# Altium PCB DigitalLabBoard.PcbDoc (part 1 of 3)
Units mm, origin at the board's own origin, x right, y up, seen from the top; angles counter-clockwise.
Board outline 155 x 110 mm, 2 copper layers (Top Layer, Bottom Layer), stack 1.571 mm thick; 189 components, 184 nets, 775 pads, 859 vias.
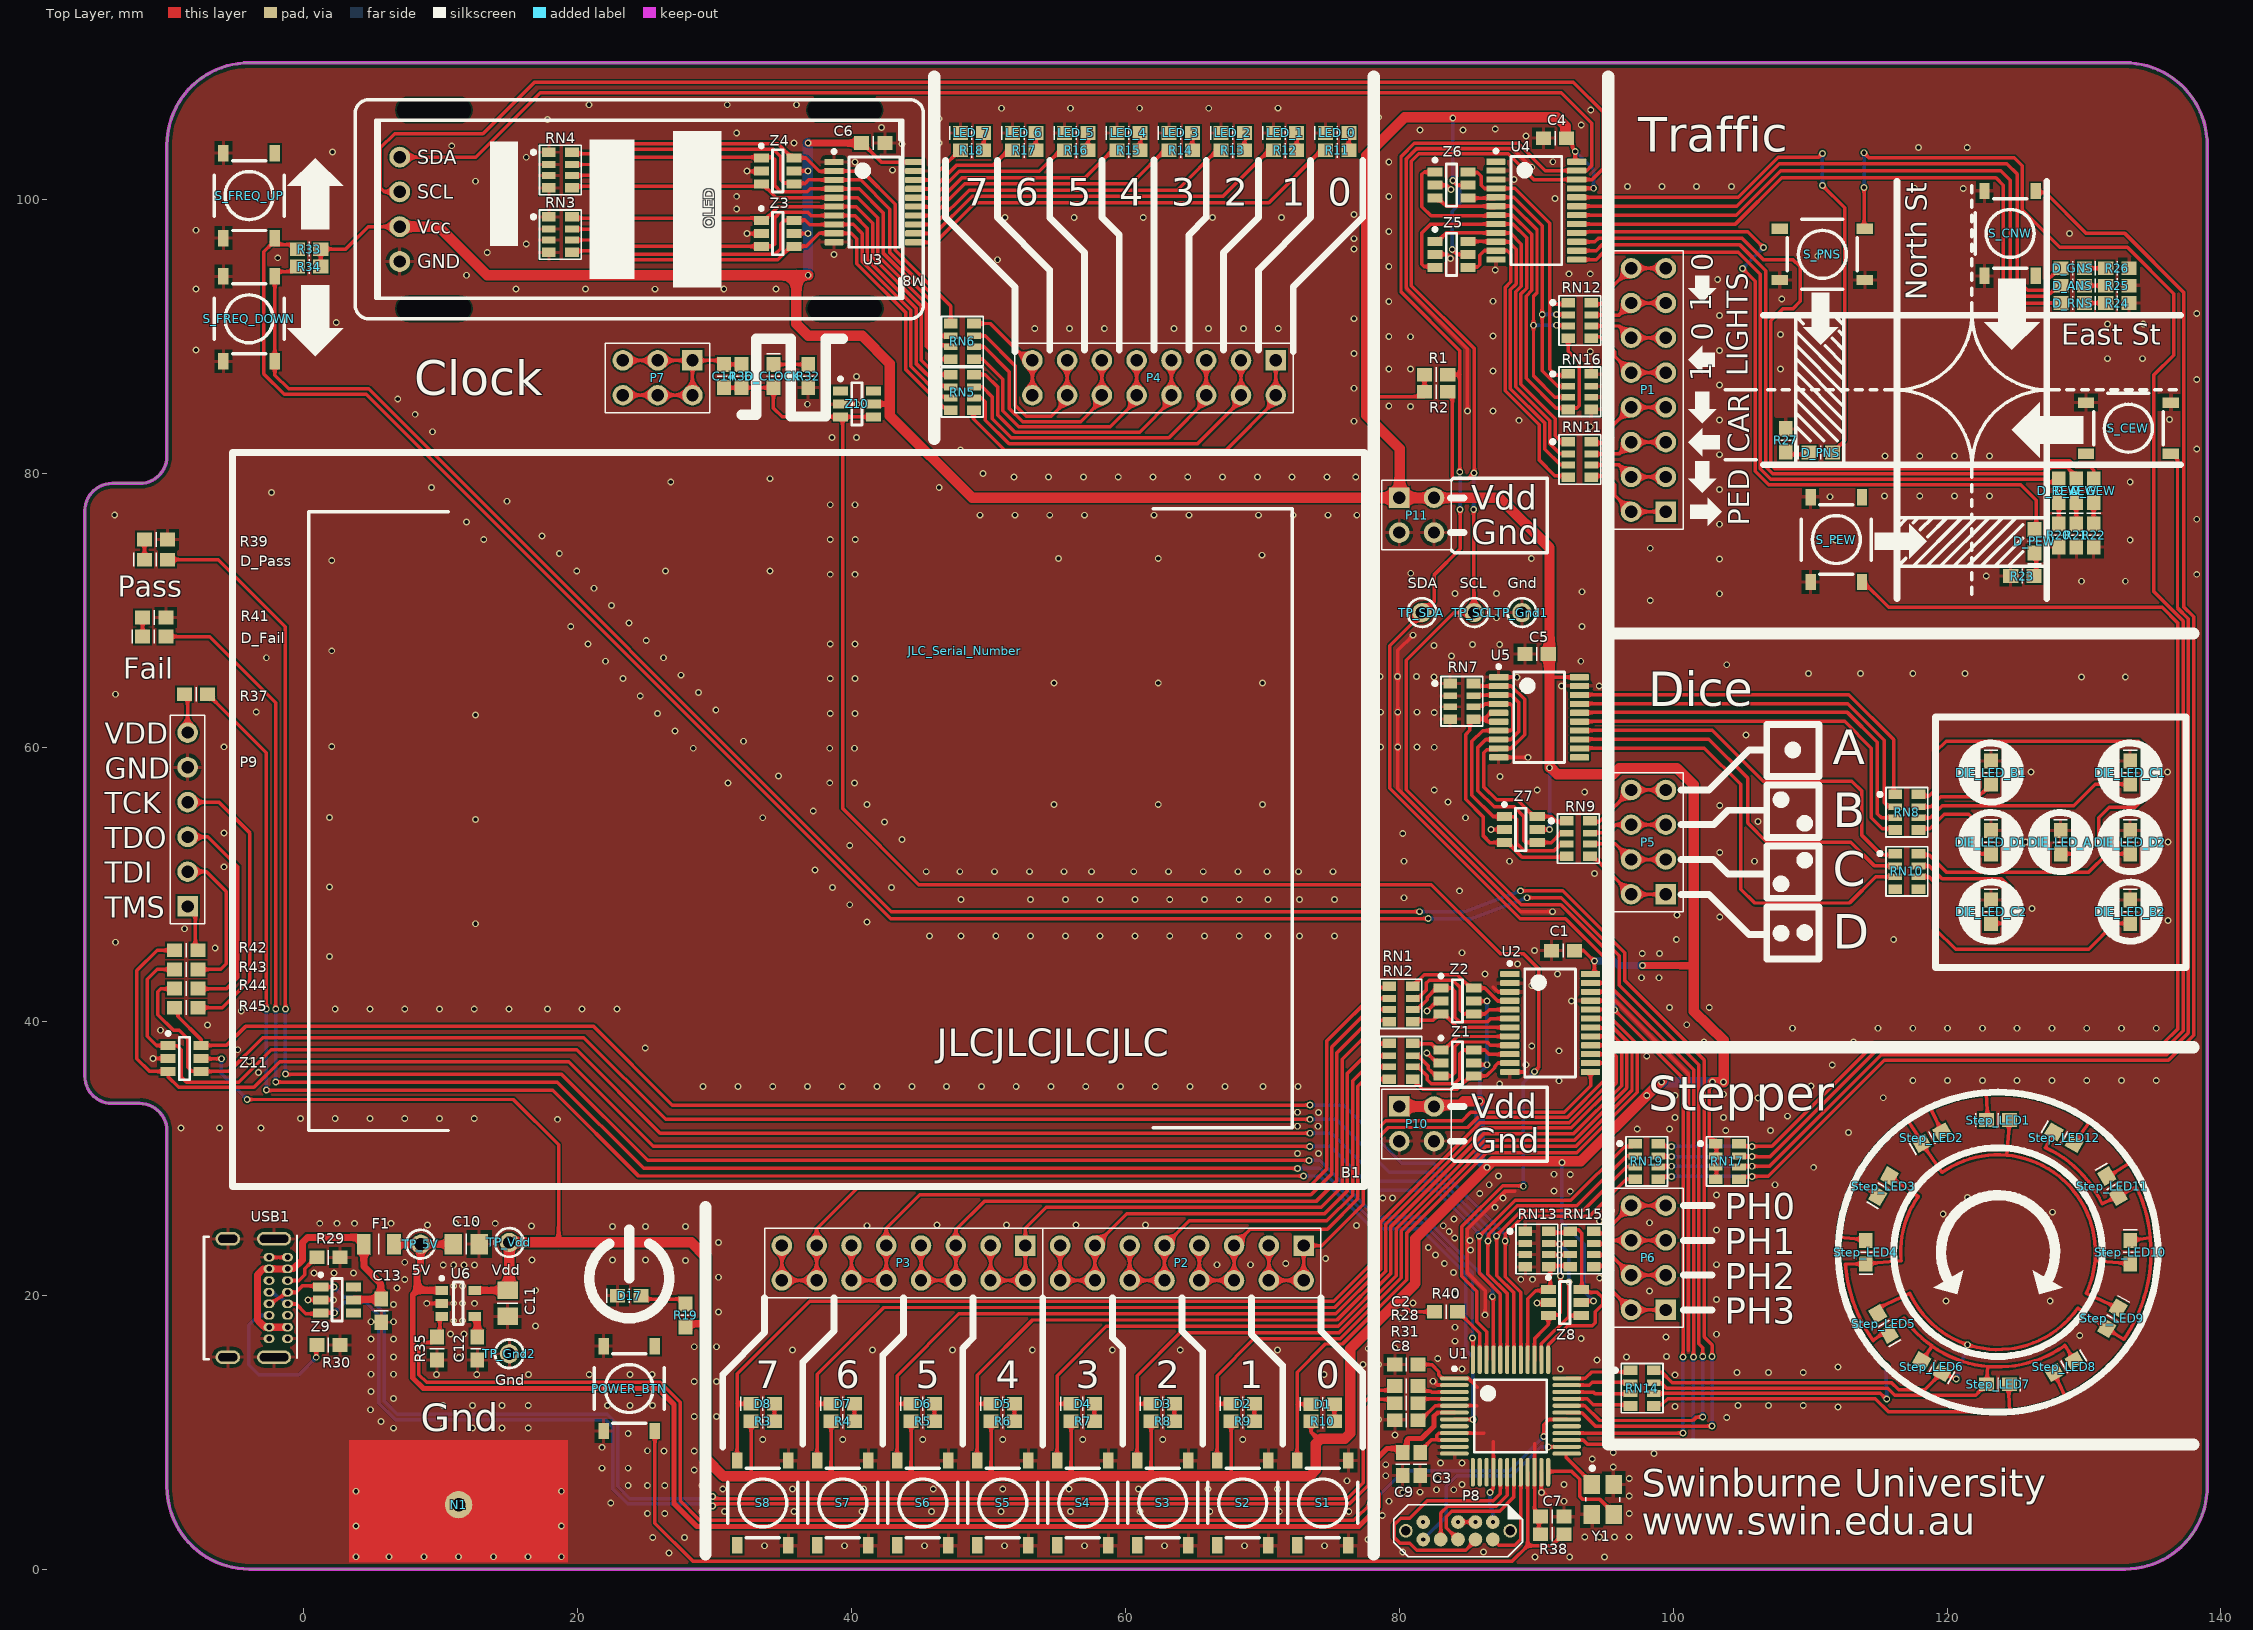
[diagram p0: Top Layer view]
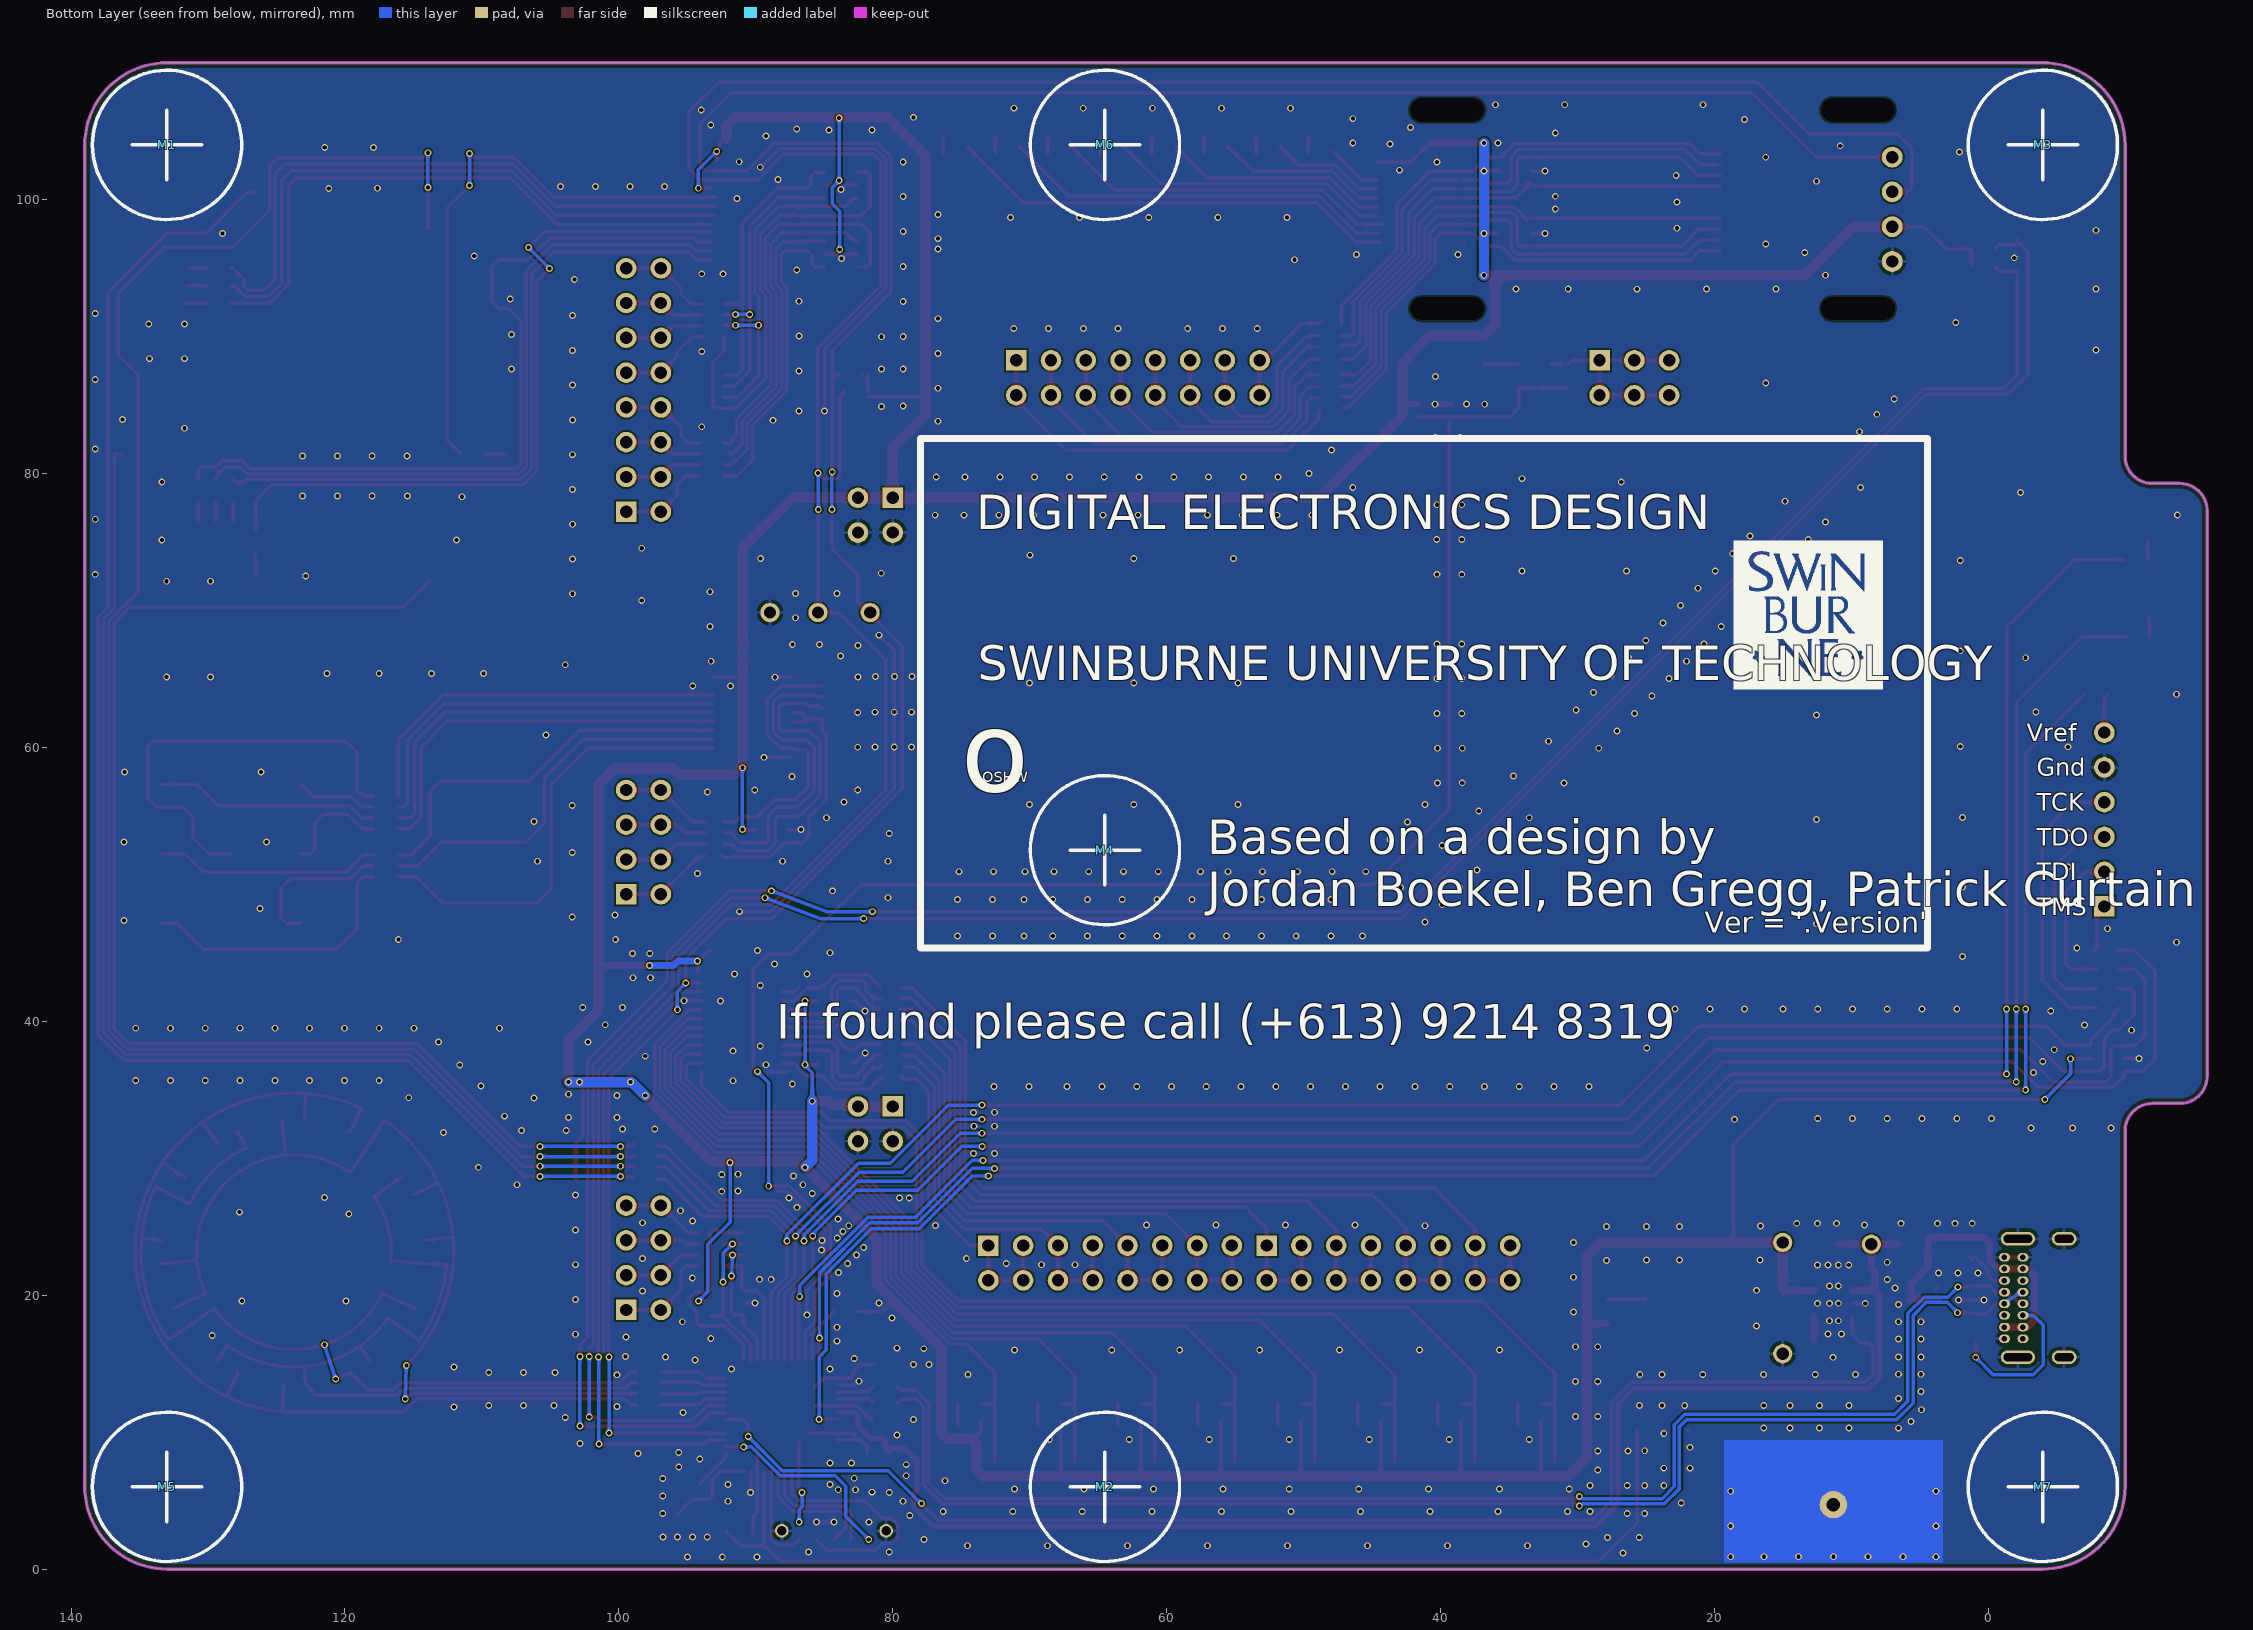
[diagram p1: Bottom Layer view, seen from below]
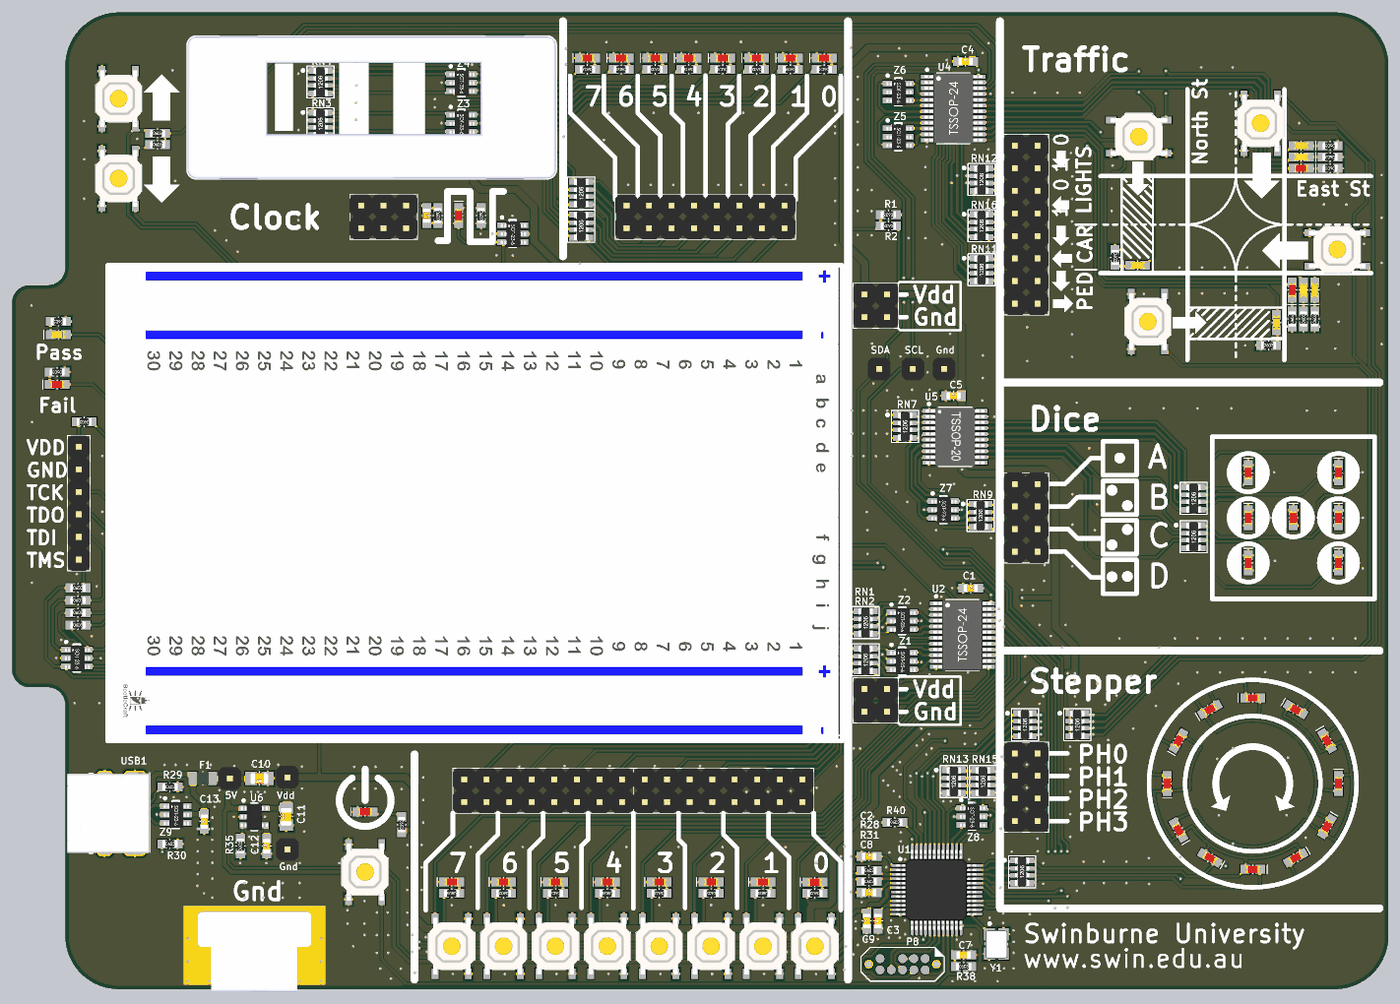
[diagram p4: 3D render of the assembled board from above, using the file's embedded part models]

## Layer stack, top to bottom
Top Solder: solder mask 0.0102, Solder Resist, Dk 3.5
Top Layer: signal copper 0.0356
Dielectric 1: dielectric 1.5, FR-4, Dk 4.8
Bottom Layer: signal copper 0.0356
Bottom Solder: solder mask 0.0102, Solder Resist, Dk 3.5

## Board outline
-14,34 -12,34 cw(c-12,32) -10,32 -10,6 ccw(c-4,6) -4,0 133,0 ccw(c133,6) 139,6 139,104 ccw(c133,104) 133,110 -4,110 ccw(c-4,104) -10,104 -10,81.28 cw(c-12,81.28) -12,79.28 -14,79.28 ccw(c-14,77.28) -16,77.28 -16,36 ccw(c-14,36)

## Design rules (kind name [scope] priority, off if disabled: settings)
BoardOutlineClearance [All] p1: gap=0.381 ignorepadtopadclearanceinfootprint=FALSE
Clearance [All] p1: gap=0.127 ignorepadtopadclearanceinfootprint=FALSE
DiffPairsRouting [All] p1: maxlimit=0.127 minlimit=0.127 mostfreqgap=0.127 toplayer_minwidth=0.254 toplayer_maxwidth=0.254 toplayer_prefwidth=0.254 bottomlayer_minwidth=0.254 bottomlayer_maxwidth=0.254 bottomlayer_prefwidth=0.254 maxuncoupledlength=12.7
HoleSize [All] p1: absolutevalues=TRUE maxlimit=20 minlimit=0.25 maxpercent=80.000 minpercent=20.000
MinimumAnnularRing [All] p1: minimumring=0.089
MinimumSolderMaskSliver [All] p1 off: minsoldermaskwidth=0.254
PolygonConnect PolygonConnect_Via [IsVia] p1: connectstyle=Direct reliefconductorwidth=0.254 reliefentries=4 polygonreliefangle="90 Angle" airgapwidth=0.254
PolygonConnect [All] p2: connectstyle=Relief reliefconductorwidth=0.254 reliefentries=4 polygonreliefangle="90 Angle" airgapwidth=0.254
RoutingVias [All] p1: holewidth=0.711 width=1.27 viastyle="Through Hole" minholewidth=0.711 minwidth=1.27 maxholewidth=0.711 maxwidth=1.27
SilkToSilkClearance [All] p1 off: silktosilkclearance=0.254
SilkToSolderMaskClearance [IsPad] p1 off: minsilkscreentomaskgap=0.254 clearancetoexposedcopper=TRUE
SolderMaskExpansion [All] p1: expansion=0.102 istentingtop=FALSE
Width [All] p1: maxlimit=0.762 minlimit=0.254 preferedwidth=0.254
25 further rules are at their usual default settings.

## Classes and differential pairs
differential pair USBD_R: +USBD_R_P -USBD_R_N
differential pair USBD: +USBD_P -USBD_N

## Components (designator, comment, footprint, x,y, rotation, side; value= is the part's Value field where it differs from the comment)
B1 "Breadboard - 300 Hole" "BREADBOARD - 300 HOLES" 36.053,54.736 r0 top locked
C1 "100nF" CCNP1608-0603 91.959,45.16 r0 top
C2 "100nF" CCNP1608-0603 80.518,14.934 r0 top
C3 "100nF" CCNP1608-0603 81.519,7.665 r90 top
C4 "100nF" CCNP1608-0603 91.374,104.495 r0 top
C5 "100nF" CCNP1608-0603 90.028,66.826 r0 top
C6 "100nF" CCNP1608-0603 41.586,104.139 r180 top
C7 "100nF" CCNP1608-0603 91.171,3.834 r180 top
C8 "2.2uF" CCNP1608-0603 80.518,10.871 r0 top
C9 "1uF" CCNP1608-0603 80.249,7.665 r90 top
C10 "10uF" CCNP2012-0805 11.854,23.723 r180 top
C11 "10uF" CCNP2012-0805 14.876,19.405 r90 top
C12 "10nF" CCNP1608-0603 12.67,16.103 r90 top
C13 "100nF" CCNP1608-0603 5.656,18.871 r90 top
C14 "100nF" CCNP1608-0603 30.683,87.122 r270 top
D1 "LED Red" LED1608-0603-RED 74.407,12.044 r0 top locked
D2 "LED Red" LED1608-0603-RED 68.565,12.064 r0 top locked
D3 "LED Red" LED1608-0603-RED 62.723,12.064 r0 top locked
D4 "LED Red" LED1608-0603-RED 56.881,12.064 r0 top locked
D5 "LED Red" LED1608-0603-RED 51.039,12.064 r0 top locked
D6 "LED Red" LED1608-0603-RED 45.197,12.064 r0 top locked
D7 "LED Red" LED1608-0603-RED 39.355,12.064 r0 top locked
D8 "LED Red" LED1608-0603-RED 33.513,12.064 r0 top locked
D17 "LED Red" LED1608-0603-RED 23.76,19.96 r0 top locked
D_AEW "LED Yellow" LED1608-0603-YELLOW 129.438,78.739 r90 top locked
D_ANS "LED Yellow" LED1608-0603-YELLOW 129.184,93.725 r180 top locked
D_CLOCK "LED Red" LED1608-0603-RED 34.29,87.122 r270 top locked
D_Fail "LED Red" LED1608-0603-RED -10.922,68.097 r0 top locked
D_GEW "LED Green" LED1608-0603-GREEN 130.708,78.739 r90 top locked
D_GNS "LED Green" LED1608-0603-GREEN 129.184,94.995 r180 top locked
D_Pass "LED Green" LED1608-0603-GREEN -10.795,73.715 r0 top locked
D_PEW "LED Green" LED1608-0603-GREEN 126.39,75.056 r90 top locked
D_PNS "LED Green" LED1608-0603-GREEN 110.769,81.533 r0 top locked
D_REW "LED Red" LED1608-0603-RED 128.168,78.739 r90 top locked
D_RNS "LED Red" LED1608-0603-RED 129.184,92.455 r180 top locked
DIE_LED_A "LED Red" LED1608-0603-RED 128.295,53.085 r270 top locked
DIE_LED_B1 "LED Red" LED1608-0603-RED 123.215,58.165 r270 top locked
DIE_LED_B2 "LED Red" LED1608-0603-RED 133.375,48.005 r270 top locked
DIE_LED_C1 "LED Red" LED1608-0603-RED 133.375,58.165 r270 top locked
DIE_LED_C2 "LED Red" LED1608-0603-RED 123.215,48.005 r270 top locked
DIE_LED_D1 "LED Red" LED1608-0603-RED 123.215,53.085 r270 top locked
DIE_LED_D2 "LED Red" LED1608-0603-RED 133.375,53.085 r270 top locked
F1 "SMD0805-050" SMD0805-050 5.478,23.723 r0 top
JLC_Serial_Number "JLC_Serial_Number" JLC_SERIAL_NUMBER 48.245,67.067 r0 top
LED_0 "LED Red" LED1608-0603-RED 75.462,104.875 r0 top locked
LED_1 "LED Red" LED1608-0603-RED 71.652,104.875 r0 top locked
LED_2 "LED Red" LED1608-0603-RED 67.842,104.875 r0 top locked
LED_3 "LED Red" LED1608-0603-RED 64.032,104.875 r0 top locked
LED_4 "LED Red" LED1608-0603-RED 60.222,104.875 r0 top locked
LED_5 "LED Red" LED1608-0603-RED 56.412,104.875 r0 top locked
LED_6 "LED Red" LED1608-0603-RED 52.602,104.875 r0 top locked
LED_7 "LED Red" LED1608-0603-RED 48.792,104.875 r0 top locked
Logo "OSHW Logo" OSHW 185.293,55.499 r180 bottom
M1 "Plastic Bumper" BUMPER_RBS-2 133,104 r180 bottom locked
M2 "Plastic Bumper" BUMPER_RBS-2 64.5,5.999 r180 bottom locked
M3 "Plastic Bumper" BUMPER_RBS-2 -4,104 r180 bottom locked
M4 "Plastic Bumper" BUMPER_RBS-2 64.5,52.5 r180 bottom
M5 "Plastic Bumper" BUMPER_RBS-2 133,5.999 r180 bottom locked
M6 "Plastic Bumper" BUMPER_RBS-2 64.5,104 r180 bottom locked
M7 "Plastic Bumper" BUMPER_RBS-2 -4,5.999 r180 bottom locked
M8 "OLED_Surround" OLED_SURROUND 24.5,99.302 r0 top locked
N1 "Gnd" NALCLIP-EDGE 11.3,4.7 r0 top
OLED "OLED_Display" OLED_DISPLAY_128X32 24.5,99.302 r0 top locked
P1 "Header 2x8" HDR2X8S 99.466,77.215 r90 top locked
P2 "Header 2x8" HDR2X8S 73.01,23.621 r180 top locked
P3 "Header 2x8" HDR2X8S 52.69,23.621 r180 top locked
P4 "Header 2x8" HDR2X8S 70.978,88.265 r180 top locked
P5 "Header 2x4" HDR2X4S 99.466,49.275 r90 top locked
P6 "Header 2x4" HDR2X4S 99.466,18.922 r90 top locked
P7 "Header 2x3" HDR2X3S 28.377,88.265 r180 top locked
P8 "SWD Connector 2x5-Pin" SWD-2X5-JIG-PADS 86.828,3.428 r180 top locked
P9 "Header, 6-Pin" HDR1X6S -8.492,48.386 r90 top locked
P10 "Header 2x2" HDR2X2S 79.995,33.781 r270 top locked
P11 "Header 2x2" HDR2X2S 79.995,78.231 r270 top locked
POWER_BTN "SMD-SW-4_5.1x5.1x2.0_M" SMD-SW-4_5.1X5.1X2.0_M 23.76,13.182 r90 top locked
R1 "4.7K" CR1608-0603 82.688,87.223 r180 top
R2 "4.7K" CR1608-0603 82.688,85.978 r180 top
R3 "1K" CR1608-0603 33.513,10.794 r180 top
R4 "1K" CR1608-0603 39.355,10.794 r180 top
R5 "1K" CR1608-0603 45.197,10.794 r180 top
R6 "1K" CR1608-0603 51.039,10.794 r180 top
R7 "1K" CR1608-0603 56.881,10.794 r180 top
R8 "1K" CR1608-0603 62.723,10.794 r180 top
R9 "1K" CR1608-0603 68.565,10.794 r180 top
R10 "1K" CR1608-0603 74.407,10.794 r180 top
R11 "1K" CR1608-0603 75.462,103.605 r180 top
R12 "1K" CR1608-0603 71.652,103.605 r180 top
R13 "1K" CR1608-0603 67.842,103.605 r180 top
R14 "1K" CR1608-0603 64.032,103.605 r180 top
R15 "1K" CR1608-0603 60.222,103.605 r180 top
R16 "1K" CR1608-0603 56.412,103.605 r180 top
R17 "1K" CR1608-0603 52.602,103.605 r180 top
R18 "1K" CR1608-0603 48.792,103.605 r180 top
R19 "1K" CR1608-0603 27.874,18.516 r270 top
R20 "1K" CR1608-0603 128.168,75.483 r90 top
R21 "560R" CR1608-0603 129.438,75.483 r90 top
R22 "1K" CR1608-0603 130.708,75.483 r90 top
R23 "1K" CR1608-0603 125.501,72.516 r0 top
R24 "1K" CR1608-0603 132.44,92.455 r180 top
R25 "560R" CR1608-0603 132.44,93.725 r180 top
R26 "1K" CR1608-0603 132.44,94.995 r180 top
R27 "1K" CR1608-0603 108.229,82.422 r270 top
R28 "33R" CR1608-0603 80.518,13.36 r0 top value="33 ohm"
R29 "5.1K" CR1608-0603 1.795,22.761 r0 top
R30 "5.1K" CR1608-0603 1.795,16.357 r0 top
R31 "33R" CR1608-0603 80.518,12.116 r0 top value="33 ohm"
R32 "1K" CR1608-0603 36.83,87.122 r270 top
R33 "10K" CR1608-0603 0.381,96.393 r0 top
R34 "10K" CR1608-0603 0.381,95.123 r0 top
R35 "10K" CR1608-0603 9.72,16.103 r90 top
R36 "100R" CR1608-0603 31.953,87.122 r270 top value="100 ohm"
R37 "10K" CR1608-0603 -7.874,63.881 r180 top
R38 "10K" CR1608-0603 91.171,2.539 r0 top
R39 "1K" CR1608-0603 -10.795,75.183 r180 top
R40 "470R" CR1608-0603 83.414,18.785 r0 top value="470 ohm"
R41 "1K" CR1608-0603 -10.922,69.494 r180 top
R42 "100R" CR1608-0603 -8.585,45.187 r0 top
R43 "100R" CR1608-0603 -8.585,43.79 r0 top
R44 "100R" CR1608-0603 -8.585,42.393 r0 top
R45 "100R" CR1608-0603 -8.585,40.996 r0 top
RN1 "470R" CR1206-0603_X4_N 80.122,41.274 r270 top value="470 ohm"
RN2 "470R" CR1206-0603_X4_N 80.122,37.083 r270 top value="470 ohm"
RN3 "10K" CR1206-0603_X4_N 18.735,97.453 r270 top
RN4 "10K" CR1206-0603_X4_N 18.735,102.166 r270 top
RN5 "470R" CR1206-0603_X4_N 48.093,85.927 r270 top value="470 ohm"
RN6 "470R" CR1206-0603_X4_N 48.093,89.661 r270 top value="470 ohm"
RN7 "10K" CR1206-0603_X4_N 84.567,63.372 r270 top
RN8 "1K" CR1206-0603_X4_N 117.068,55.269 r270 top
RN9 "470R" CR1206-0603_X4_N 93.076,53.339 r270 top value="470 ohm"
RN10 "1K" CR1206-0603_X4_N 117.068,50.951 r270 top
RN11 "470R" CR1206-0603_X4_N 93.178,81.025 r270 top value="470 ohm"
RN12 "470R" CR1206-0603_X4_N 93.178,91.185 r270 top value="470 ohm"
RN13 "10K" CR1206-0603_X4_N 90.054,23.367 r270 top
RN14 "470R" CR1206-0603_X4_N 97.739,13.208 r270 top value="470 ohm"
RN15 "470R" CR1206-0603_X4_N 93.344,23.372 r270 top value="470 ohm"
RN16 "10K" CR1206-0603_X4_N 93.178,85.978 r270 top
RN17 "10K" CR1206-0603_X4_N 103.962,29.769 r270 top
RN19 "1K" CR1206-0603_X4_N 98.07,29.769 r270 top
S1 "SMD-SW-4_5.1x5.1x2.0_M" SMD-SW-4_5.1X5.1X2.0_M 74.407,4.825 r90 top locked
S2 "SMD-SW-4_5.1x5.1x2.0_M" SMD-SW-4_5.1X5.1X2.0_M 68.565,4.825 r90 top locked
S3 "SMD-SW-4_5.1x5.1x2.0_M" SMD-SW-4_5.1X5.1X2.0_M 62.723,4.825 r90 top locked
S4 "SMD-SW-4_5.1x5.1x2.0_M" SMD-SW-4_5.1X5.1X2.0_M 56.881,4.825 r90 top locked
S5 "SMD-SW-4_5.1x5.1x2.0_M" SMD-SW-4_5.1X5.1X2.0_M 51.039,4.825 r90 top locked
S6 "SMD-SW-4_5.1x5.1x2.0_M" SMD-SW-4_5.1X5.1X2.0_M 45.197,4.825 r90 top locked
S7 "SMD-SW-4_5.1x5.1x2.0_M" SMD-SW-4_5.1X5.1X2.0_M 39.355,4.825 r90 top locked
S8 "SMD-SW-4_5.1x5.1x2.0_M" SMD-SW-4_5.1X5.1X2.0_M 33.513,4.825 r90 top locked
S_CEW "SMD-SW-4_5.1x5.1x2.0_M" SMD-SW-4_5.1X5.1X2.0_M 133.248,83.311 r180 top locked
S_CNW "SMD-SW-4_5.1x5.1x2.0_M" SMD-SW-4_5.1X5.1X2.0_M 124.612,97.535 r270 top locked
S_FREQ_DOWN "SMD-SW-4_5.1x5.1x3.5_M" SMD-SW-4_5.1X5.1X3.5_M -4,91.302 r270 top locked
S_FREQ_UP "SMD-SW-4_5.1x5.1x3.5_M" SMD-SW-4_5.1X5.1X3.5_M -4,100.302 r270 top locked
S_PEW "SMD-SW-4_5.1x5.1x2.0_M" SMD-SW-4_5.1X5.1X2.0_M 111.912,75.183 r90 top locked
S_PNS "SMD-SW-4_5.1x5.1x2.0_M" SMD-SW-4_5.1X5.1X2.0_M 110.896,96.011 r0 top locked
Step_LED1 "LED Red" LED1608-0603-RED 123.723,32.79 r0 top locked
Step_LED2 "LED Red" LED1608-0603-RED 118.897,31.497 r30 top locked
Step_LED3 "LED Red" LED1608-0603-RED 115.364,27.964 r60 top locked
Step_LED4 "LED Red" LED1608-0603-RED 114.071,23.138 r90 top locked
Step_LED5 "LED Red" LED1608-0603-RED 115.364,17.906 r120 top locked
Step_LED6 "LED Red" LED1608-0603-RED 118.897,14.78 r150 top locked
Step_LED7 "LED Red" LED1608-0603-RED 123.723,13.486 r180 top locked
Step_LED8 "LED Red" LED1608-0603-RED 128.549,14.78 r210 top locked
Step_LED9 "LED Red" LED1608-0603-RED 132.082,18.312 r240 top locked
Step_LED10 "LED Red" LED1608-0603-RED 133.375,23.138 r270 top locked
Step_LED11 "LED Red" LED1608-0603-RED 132.082,27.964 r300 top locked
Step_LED12 "LED Red" LED1608-0603-RED 128.549,31.497 r330 top locked
TP_5V "5V" "PCBPIN - 0.9MM" 8.526,23.723 r0 top locked
TP_Gnd1 "Gnd" "PCBPIN - 0.9MM" 88.959,69.85 r90 top locked
TP_Gnd2 "Gnd" "PCBPIN - 0.9MM" 15.003,15.722 r0 top locked
TP_SCL "SCL" "PCBPIN - 0.9MM" 85.456,69.85 r90 top locked